# KiCad board ISA65816a.kicad_pcb (continued)
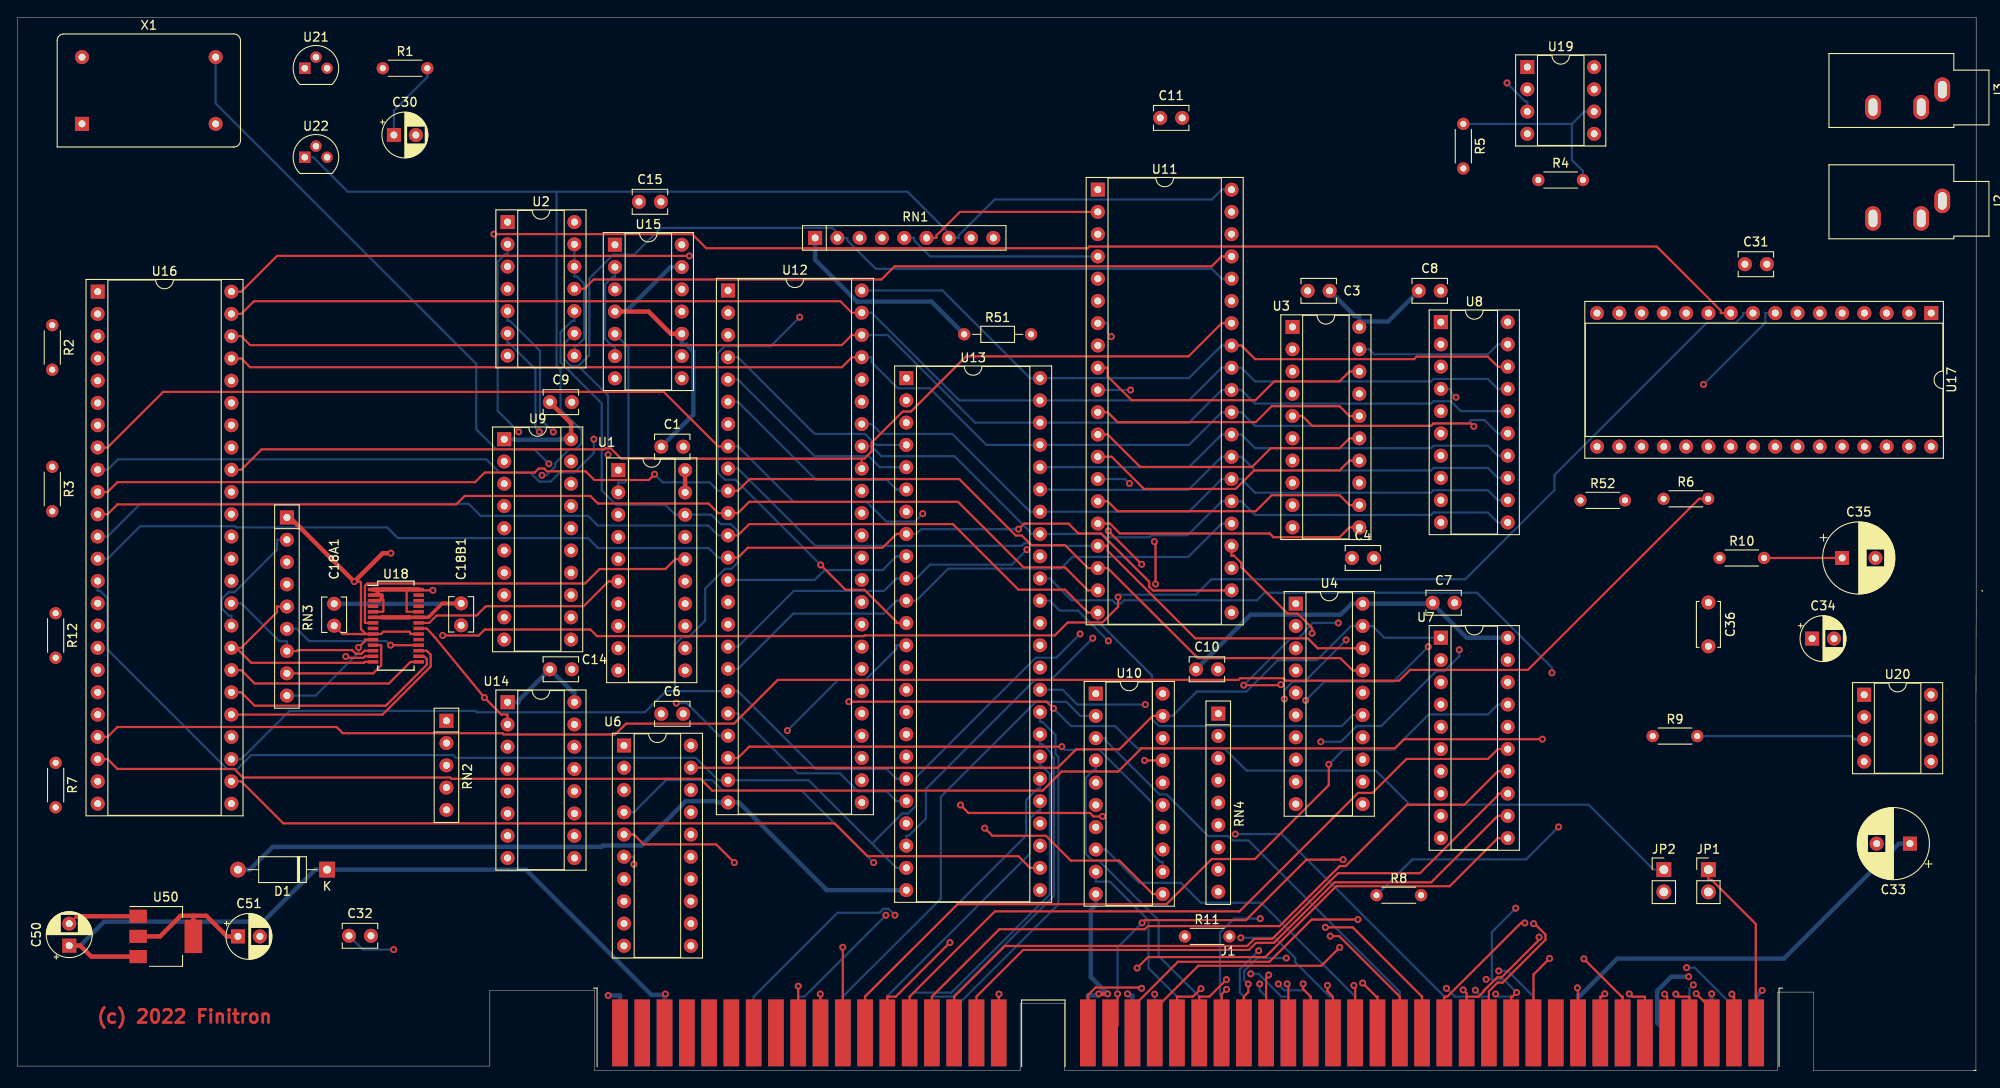
[diagram p0: board, top side]
## Routing (per net, layer and track width the routed paths; a pad name or vN(x,y) marks a point on that pad's centre or on a via; arc(x,y) is an arc through that point) (continued)
/Clkgen/V5: length 46.7
  Top w0.25: U18.15 44.8,46.62 42.34,44.16 27.03,44.16 25.5,45.68 U16.31
  In1.Cu w0.25: U16.31 24.38,46.81 24.1,46.81 22.75,48.16 22.75,58.41 23.91,59.57 25.49,59.57 29.58,55.47 RN3.4
/Clkgen/V6: length 55.7
  Top w0.25: U16.30 25.5,43.14 27.03,41.62 41.99,41.62 46.65,46.29 46.65,46.96 46.35,47.26 U18.16
  In1.Cu w0.25: RN3.3 29.43,58.01 25.36,62.08 23.94,62.08 22.25,60.4 22.25,46.11 24.1,44.27 24.38,44.27 U16.30
/Clkgen/V7: length 57.1
  Top w0.25: U18.17 46.65,47.89 47.1,47.44 47.1,46.1 41.61,40.6 U16.29
  In1.Cu w0.25: R12.2 4.34,41.19 8.62,36.91 19.56,36.91 23.25,40.6 U16.29
/Clkgen/V8: length 32.9
  Top w0.25: v1(42.53,48.53) U18.18
  In1.Cu w0.25: RN3.6 30.71,49.27 30.99,49.27 31.83,48.42 31.83,44.78 31.1,44.04 30.36,44.04 25.5,39.19 25.5,38.06 U16.28
  Bottom w0.25: v1(42.53,48.53) 42.07,48.99 33.24,48.99 31.83,50.39 RN3.6
GND: length 124.7
  Top w0.25: 41.53,53.87 41.71,53.69 41.71,52.43 41.62,52.34 U18.5 ; U18.24 44.36,52.34 44.36,54.83 44.43,54.89 ; U18.20 44.79,49.8 44.79,49.95 44.68,50.06 41.71,50.06 41.44,49.8 U18.9 38.37,49.8 ; C18A1.1 37.05,49.8 38.37,49.8 ; v1(38.38,55.77) 39.04,55.77 39.15,55.66 39.15,50.36 39.71,49.8 38.37,49.8 ; 6.74,17.6 C50.2 ; v1(47.35,54.78) 45.82,54.78 U18.28 ; 31.06,63.09 RN3.1
  Top w0.4: U18.3 41.27,53.61 41.53,53.87 41.53,54.24 U18.2 ; U18.28 45.71,54.89
  Top w0.5: 31.06,63.09 v1(38.38,55.77) 41.63,59.02 v1(42.56,59.02) ; U50.1 6.74,17.6
  Top w0.504: 41.06,54.88 41.58,54.88 41.6,54.89 45.71,54.89 ; 41.06,54.88 U18.1 ; 41.06,54.88 41.06,54.24 ; v1(124.29,8.74) v1(123.27,8.74)
  In1.Cu w0.25: v1(42.56,59.02) 43.11,59.02
  In1.Cu w0.5: 43.11,59.02 v1(47.35,54.78)
  In1.Cu w0.504: v1(198.9,9.13) 211.95,22.18 C33.2 ; U6.10 69.14,12.97 67.34,11.17 v1(67.34,8.55)
  Bottom w0.504: U10.10 122.93,18.88 122.36,18.31 122.36,10.66 v1(124.29,8.74) ; J1.80 68.68,8.55 v1(67.34,8.55) ; v1(198.9,9.13) 198.32,8.55 198.22,8.55 J1.1 ; v1(123.27,8.74) 123.08,8.55 122.02,8.55 J1.31
/A0: length 145.4
  Top w0.25: J1.62 122.02,8.59 122.9,9.46 128.06,9.46 v1(128.15,9.38)
  In1.Cu w0.25: U3.2 146.47,82.29 147.6,81.17 153.18,81.17 156.24,78.1 156.24,55.79 156.14,55.69 156.14,50.61 156.5,50.25 156.5,46.55 156.86,46.19 156.86,21.68 163.95,14.59 166.68,14.59 169.73,11.55 169.73,8.17 166.66,5.09 132.18,5.09 128.15,9.12 v1(128.15,9.38)
/A1: length 137.7
  Top w0.25: J1.61 125.41,5.14 v1(125.41,8.74) ; v1(128.21,16.84) 128.52,17.15 140.04,17.15 146.94,24.05 v1(151.12,24.05)
  In1.Cu w0.25: v1(151.12,24.05) 151.12,32.1 147.71,35.51 147.71,36.86 147.09,37.49 147.09,41.99 v1(146.85,42.22) ; v1(160.83,48.34) 160.83,51.88 160.19,52.52 160.19,53.91 164.4,58.12 164.4,76.05 164.72,76.37 164.72,81.99 162.72,83.99 161.42,83.99 161.14,83.71 145.17,83.71 144.22,82.76 144.22,81.72 145.07,80.88 145.35,80.88 145.35,79.75
  Bottom w0.25: v1(146.85,42.22) 149,44.37 156.85,44.37 v1(160.83,48.34) ; v1(128.21,16.84) 125.41,14.04 v1(125.41,8.74)
/A2: length 99.5
  Top w0.25: J1.60 127.1,7.21 132.29,12.4 142.72,12.4 147.54,17.23 v1(152.81,17.23)
  In1.Cu w0.25: v1(152.81,17.23) 152.81,20.36 156.41,23.96 156.41,46.01 156.05,46.36 156.05,48.98 155.69,49.34 155.69,55.87 155.75,55.94 155.75,65.89 153.33,68.32 152.64,68.32 146.47,74.49 146.47,75.24 145.63,76.09 145.35,76.09 U3.4
/A3: length 120.1
  Top w0.25: J1.59 129.64,6.98 134.61,11.95 148.65,11.95 v1(150.74,14.04) ; 145.35,74.67 146.47,74.67 147.6,73.55 161.14,73.55 161.42,73.83 165.69,73.83 v1(166.02,73.49)
  In1.Cu w0.25: v1(150.74,14.04) 151.18,14.49 151.18,23.06 151.87,23.74 151.87,34.22 v1(148.58,37.51) ; v1(164.36,48) 165.61,49.24 165.61,56.93 166.02,57.34 v1(166.02,73.49)
  Bottom w0.25: v1(164.36,48) 164.36,47.26 162.66,45.56 161.73,45.56 155.47,39.3 152.68,39.3 150.88,37.51 v1(148.58,37.51)
/A4: length 97.7
  Top w0.25: v1(134.91,9.34) 134,8.43 132.18,8.43 J1.58
  In1.Cu w0.25: U3.6 145.35,71.01 145.63,71.01 146.47,70.16 146.47,65.77 153.38,58.87 153.38,56.49 155.15,54.72 155.15,49.02 155.6,48.57 155.6,46.18 155.91,45.87 155.91,24.73 152.08,20.91 152.08,14.92 154.59,12.41 154.59,9.47 153.36,8.24 136.01,8.24 v1(134.91,9.34)
/A5: length 92.4
  Top w0.25: v1(144.02,44.03) 143.95,43.96 v1(139.79,43.96) ; v1(137.82,10.36) 135.89,8.43 134.72,8.43 J1.57
  In1.Cu w0.25: v1(150.57,51.06) 150.57,52.46 144.22,58.81 144.22,67.62 145.07,68.47 145.35,68.47 145.35,69.59 ; v1(144.02,44.03) 142.71,42.71 142.71,18.59 143.43,17.87 143.43,12.37 145.47,10.33 145.47,9.56 145.05,9.14 139.04,9.14 v1(137.82,10.36)
  Bottom w0.25: v1(139.79,43.96) 145.14,49.3 146.02,49.3 146.86,50.14 146.86,50.26 147.66,51.06 v1(150.57,51.06)
/A6: length 86.8
  Top w0.25: J1.56 137.26,8.69 v1(137.83,9.26)
  In1.Cu w0.25: v1(137.83,9.26) 138.39,8.69 153.13,8.69 154.08,9.65 154.08,11.34 151.63,13.79 151.63,22.55 155.46,26.38 155.46,45.69 155.15,45.99 155.15,47.98 153.56,49.57 152.89,49.57 152.22,50.24 152.22,53.9 149.32,56.8 149.32,62.21 145.6,65.93 145.35,65.93 U3.8
/A7: length 71.7
  Top w0.25: v1(140.31,9.87) 140.31,8.93 139.8,8.43 J1.55
  In1.Cu w0.25: v1(144.64,12.82) 144.33,13.13 144.33,19.06 143.61,19.79 143.61,41.58 v1(144.41,42.39) ; v1(151.47,49.13) 151.47,53.79 148.71,56.55 148.71,60.22 145.54,63.39 145.35,63.39 U3.9
  Bottom w0.25: v1(151.47,49.13) 146.71,44.37 145.39,44.37 144.41,43.39 v1(144.41,42.39) ; v1(140.31,9.87) 139.83,10.34 139.83,11.35 141.31,12.82 v1(144.64,12.82)
/A8: length 48.7
  Top w0.25: J1.54 142.34,10.6 v1(142.64,10.89)
  In1.Cu w0.25: U4.2 145.73,49.59 145.45,49.59 141.81,45.95 141.81,18.22 142.53,17.49 142.53,11 v1(142.64,10.89)
/A9: length 46.6
  Top w0.25: v1(144.74,9.88) 144.88,9.74 J1.53
  In1.Cu w0.25: v1(144.74,9.88) 144.74,9.89 142.98,11.65 142.98,17.68 142.26,18.4 142.26,43.86 145.45,47.05 145.73,47.05 U4.3
/A10: length 44.3
  Top w0.25: J1.52 147.42,8.43 146.56,9.29 v1(146.56,9.88)
  In1.Cu w0.25: U4.4 145.73,44.51 145.53,44.51 144.32,43.3 144.24,43.3 143.16,42.22 143.16,19.6 143.88,18.88 143.88,12.55 146.56,9.88 v1(146.56,9.88)
/A11: length 42.1
  Top w0.25: v1(149.33,9.71) 149.33,9.05 149.96,8.43 J1.51
  In1.Cu w0.25: U4.5 145.73,41.97 145.45,41.97 144.1,40.63 144.1,19.93 144.78,19.25 144.78,14.26 v1(149.33,9.71)
/A12: length 40.2
  Top w0.25: J1.50 152.5,9.55 v1(152.35,9.71)
  In1.Cu w0.25: U4.6 145.73,39.43 145.5,39.43 144.55,38.48 144.55,20.12 145.23,19.44 145.23,16.82 v1(152.35,9.71)
/A13: length 38.2
  Top w0.25: J1.49 155.04,8.43 154.9,8.43 v1(153.35,9.98)
  In1.Cu w0.25: v1(153.35,9.98) 150.01,13.31 150.01,14.34 150.39,14.72 150.39,31.55 147.1,34.85 147.1,35.8 146.01,36.89 145.73,36.89 U4.7
/A14: length 37
  Top w0.25: J1.48 157.58,8.43 150.68,15.33 v1(149.65,15.33)
  In1.Cu w0.25: v1(149.65,15.33) 149.83,15.51 149.83,30.53 146.01,34.35 145.73,34.35 U4.8
/A15: length 36.5
  Top w0.25: J1.47 160.12,8.43 152.22,16.33 v1(149.11,16.33)
  In1.Cu w0.25: U4.9 145.73,31.81 145.92,31.81 149.11,28.63 v1(149.11,16.33)
/A16: length 48.9
  Top w0.25: J1.46 162.66,8.43 162.99,8.43 171.4,16.83 v1(171.84,16.83)
  In1.Cu w0.25: v1(171.84,16.83) 171.45,16.83 168.76,19.52 168.76,44.85 169.62,45.71 169.89,45.71 U7.19
/A17: length 131.6
  Top w0.25: 165.2,8.43 166.57,8.43 167.13,8.99 167.13,9.06 168.7,10.63 169.19,10.63 173.46,14.91 v1(173.46,15.21) ; 165.2,8.43 165.2,8.79 v1(164.8,9.19) ; 165.2,8.43 J1.45 ; J1.88 v1(94.08,14.06)
  In1.Cu w0.25: v1(94.08,14.06) 94.27,13.87 128.08,13.87 135.06,6.89 162.5,6.89 v1(164.8,9.19) ; v1(173.46,15.21) 173.57,15.31 173.57,24.92 173.08,25.41 173.08,40.25 170.17,43.17 169.89,43.17 U7.18
/A18: length 135.1
  Top w0.25: J1.87 96.62,8.43 107.17,18.98 130.99,18.98 136.14,24.12 141.05,24.12 149.49,32.56 v1(149.49,34.93) ; J1.44 167.74,9.04 168.72,10.02 169.31,10.02 174.19,14.91 174.19,15.51 172.95,16.75 v1(172.84,16.75)
  In1.Cu w0.25: U7.17 169.89,40.63 170.17,40.63 171.52,39.27 171.52,18.17 172.84,16.86 v1(172.84,16.75)
  Bottom w0.25: U7.17 168.76,41.75 167.63,40.63 160.89,40.63 156.87,36.6 151.16,36.6 v1(149.49,34.93)
/A19: length 119
  Top w0.25: v1(106.29,14.6) 100.12,8.43 99.16,8.43 J1.86 ; v1(170.91,8.9) 170.44,8.43 170.28,8.43 J1.43
  In1.Cu w0.25: v1(167.42,10.4) 164.94,10.4 163.63,9.1 163.63,8.98 162,7.34 135.25,7.34 127.99,14.6 v1(106.29,14.6) ; U7.16 169.89,38.09 170.08,38.09 171.01,37.15 171.01,18.72 v1(170.8,18.51)
  Bottom w0.25: v1(170.8,18.51) 168.08,15.79 168.08,10.4 ; v1(167.42,10.4) 168.08,10.4 ; 168.08,10.4 169.41,10.4 v1(170.91,8.9)
/A20: length 84
  Top w0.25: J1.85 101.7,8.43 111.43,18.15 139.3,18.15 152.82,31.67 154.47,31.67 158.35,35.55 167.63,35.55 168.76,36.67 U7.15
/A21: length 80.4
  Top w0.25: J1.84 104.24,8.43 111.93,16.12 128.51,16.12 128.87,16.47 143.88,16.47 150.73,23.33 151.42,23.33 158.41,30.32 164.95,30.32 168.76,34.13 U7.14
/A22: length 77
  Top w0.25: J1.83 106.78,8.43 112.56,14.2 140.19,14.2 141.01,15.02 143.05,15.02 150.55,22.51 159.89,22.51 168.76,31.38 168.76,31.59 U7.13
/A23: length 73.2
  Top w0.25: J1.82 109.32,8.43 114.65,13.75 140.38,13.75 141.19,14.57 143.24,14.57 150.15,21.47 161.18,21.47 168.76,29.05 U7.12
/ABORTB: length 29.3
  In1.Cu w0.25: RN1.3 97.13,93.87 99.09,93.87 99.82,94.6 99.82,95.34 100.64,96.16 121.3,96.16 122.03,95.42 U11.3
/AEN: length 220.1
  Top w0.25: J1.42 172.82,10.94 v1(174.66,12.78) ; U10.19 129.42,40.46 125.61,36.65 120.69,36.65 118.58,34.53 77.9,34.53 77.88,34.54 U6.19
  In1.Cu w0.25: v1(174.66,12.78) 174.66,12.98 168.39,19.26 167.92,19.26 161.14,26.04 161.14,47.63 162.27,48.76 U7.1 162.27,50.5 162.58,50.81 162.58,55.36 164.85,57.62 164.85,75.86 165.23,76.25 165.23,77.64 169.89,82.29 ; 169.89,82.29 169.89,81.72 170.17,81.72 178.18,73.71 R52.1 ; 169.89,82.29 U8.19
  Bottom w0.25: U8.19 168.76,82.85 167.63,81.72 154.66,81.72 154.09,82.29 U3.19 ; U10.19 131.67,40.46 134.45,43.24 140.09,43.24 143.66,46.8 148.12,46.8 152.04,50.72 U4.19 154.48,50.72 155.82,49.37 U7.1
/ALE: length 70.4
  In1.Cu w0.25: U6.8 79.55,8.89 89.76,8.89 90.97,10.1 128.45,10.1 129.64,8.92 v1(129.64,8.71)
  Bottom w0.25: v1(129.64,8.71) 129.64,8.7 J1.28
/BE: length 161.9
  In1.Cu w0.25: v1(75.1,41.92) 73.06,43.96 68.56,43.96 65.33,47.18 65.33,48.56 63.45,50.44 62.7,50.44 58.61,54.53 58.61,68.97 60.09,70.45 61.04,70.45 61.75,69.74 61.75,69.19 62.61,68.33 65.4,68.33 v1(67.32,70.26)
  Bottom w0.25: U11.36 137.27,90.34 136.15,91.47 97.84,91.47 94.59,94.72 94.59,95 94.03,95 ; U2.9 62.35,82.97 62.35,81.11 63.07,80.38 63.94,80.38 ; v1(75.1,41.92) 76.3,41.92 79.88,38.34 79.88,38.2 U12.21 ; 63.94,80.38 67.32,77 v1(67.32,70.26) ; 63.94,80.38 65.18,81.62 65.18,90.37 67.9,93.09 70.29,93.09 73.34,96.14 92.89,96.14 94.03,95 ; 94.03,95 RN1.2
/Clkgen/ANAIN: length 213.8
  In1.Cu w0.25: R5.2 163.8,102.93 149.18,117.55 33.16,117.55 31.22,115.62 31.22,113.71 7.1,89.58 7.1,56.19 8.86,54.43 9.14,54.43 U16.15
/Clkgen/AUD: length 194.5
  In1.Cu w0.25: R8.2 161.03,20 165.83,15.2 166.71,15.2 170.18,11.73 170.18,7.98 166.8,4.59 131.82,4.59 126.93,9.49 114.52,9.49 112.57,7.54 77.72,7.54 69.88,15.38 44.48,15.38 v1(42.88,13.79) ; U16.23 20.17,32.98 C32.1
  Bottom w0.25: C32.1 39.37,13.79 v1(42.88,13.79)
/Clkgen/CTS0: length 237.9
  Top w0.25: v1(48.46,49.64) 52.59,49.64 53.26,50.31 65.31,50.31 66.06,49.56 96.5,49.56 96.58,49.64 118.25,49.64 119.73,51.12 123.68,51.12 125.47,52.91 v1(125.47,54.01)
  In1.Cu w0.25: U16.19 8,42.01 8,40.12 8.69,39.43 9.56,39.43 21.68,51.56 21.68,64.92 23.91,67.14 30.96,67.14 v1(48.46,49.64)
  Bottom w0.25: U17.9 196.72,86.42 196.72,86.14 195.88,85.3 192.56,85.3 175.21,67.94 175.21,66.21 165.05,56.05 136.11,56.05 134.34,54.28 125.74,54.28 v1(125.47,54.01)
/Clkgen/GCLK: length 70.7
  Top w0.25: U14.2 55.86,40.61 55.16,40.61 v1(53.22,42.54) 47.55,49.45 46.65,50.43 U18.21
  In1.Cu w0.25: v1(57.13,72.87) 57.13,46.45 v1(53.22,42.54)
  Bottom w0.25: v1(57.13,72.87) 54.74,75.26 54.74,92.3 55.58,93.14 55.86,93.14 U2.2
/Clkgen/Q1: length 49.8
  In1.Cu w0.25: U16.39 29.88,66 47.77,48.11 47.77,38.91 48.19,38.48 48.89,38.48 48.89,37.92 ; 48.89,37.92 RN2.2 ; 48.89,37.92 53.76,37.92 54.74,36.94 U14.3
/Clkgen/Q2: length 49.2
  In1.Cu w0.25: 48.89,35.28 48.89,35.94 48.69,35.94 38.16,46.48 38.16,54.7 30.89,61.97 27,61.97 25.5,63.46 U16.38 ; 48.89,35.28 53.86,35.28 54.74,34.4 U14.4 ; 48.89,35.28 RN2.3
/Clkgen/Q3: length 48.4
  In1.Cu w0.25: U16.37 25.55,60.92 29.73,56.74 31.05,56.74 32.54,55.25 32.54,50.8 47.77,35.58 47.77,34.25 48.61,33.4 48.89,33.4 RN2.4 48.89,32.84 53.76,32.84 54.74,31.86 U14.5
/Clkgen/Q4: length 46.7
  In1.Cu w0.25: U16.36 24.38,57.26 24.78,57.26 30.38,51.66 31.05,51.66 47.32,35.39 47.32,32.25 48.71,30.86 48.89,30.86 RN2.5 54.32,29.74 54.74,29.32 U14.6
/Clkgen/RTS0: length 243.5
  Top w0.25: v1(54.3,95.43) 76.9,95.43 78.52,93.82 121.98,93.82 122.18,94.01 186.87,94.01 194.18,86.7 194.18,86.42 U17.10
  In1.Cu w0.25: U16.20 9.14,41.73 9.42,41.73 10.74,43.05 10.74,71.11 9.5,72.35 8.8,72.35 8,73.16 8,86.77 8.9,87.68 46.56,87.68 v1(54.3,95.43)
/Clkgen/RxD0: length 267.7
  In1.Cu w0.25: U16.17 9.14,49.35 8.86,49.35 6.65,51.56 6.65,89.76 30.42,113.54 30.42,115.48 32.96,118.02 150.35,118.02 157.84,110.54 174.32,110.54 197.32,87.55 203.5,87.55 204.34,86.7 204.34,86.42 U17.6
/Clkgen/TxD0: length 271.4
  In1.Cu w0.25: v1(192.21,78.28) 186.25,78.28 147.42,117.1 33.35,117.1 31.68,115.43 31.68,113.52 7.55,89.39 7.55,60.88 8.77,59.65 9.52,59.65 10.28,58.9 10.28,47.67 9.42,46.81 9.14,46.81 U16.18
  Bottom w0.25: v1(192.21,78.28) 199.26,85.33 199.26,86.42 U17.8
/Clkgen/VPROG: length 219.4
  Top w0.25: U16.22 10.26,35.52 11.39,34.4 24.73,34.4 25.71,33.42 49.34,33.42 49.49,33.27 77.86,33.27 79.2,31.93 116.87,31.93 119.04,34.11 125.47,34.11 128.12,36.76 157.02,36.76 158.07,37.8 v1(173.84,37.8)
  In1.Cu w0.25: v1(173.84,37.8) 173.84,45.31 174.63,46.1 175.05,46.1 195.31,66.35 U17.23 ; U16.22 9.14,34.4 8.93,34.4 5.37,30.84 5.37,30.02 R7.2
/Clkgen/VRESET: length 201.8
  Top w0.25: R6.2 191.71,65.23 172.19,45.71 158.75,45.71 157.51,44.47 144.6,44.47 144.32,44.75 139.38,44.75 139.19,44.56 86.67,44.56 81.68,39.57 69.37,39.57 68.14,38.34 55.42,38.34 55.27,38.48 37.08,38.48 36.38,39.19 11.39,39.19 10.26,38.06 U16.21
  In1.Cu w0.25: U17.22 192.77,66.29 192.74,66.25 R6.2
/D0: length 94
  Top w0.25: v1(177.83,9.43) 177.9,9.35 J1.40
  In1.Cu w0.25: v1(177.83,9.43) 177.76,9.35 173.17,9.35 171.08,11.45 171.08,12.11 167.08,16.1 166.58,16.1 157.76,24.93 157.76,46.57 157.4,46.92 157.4,50.62 157.04,50.99 157.04,55.31 157.49,55.76 157.49,72.11 161.88,76.5 162.62,76.5 163.41,77.29 163.41,80.86 162.55,81.72 162.27,81.72 U8.2
/D1: length 93.9
  Top w0.25: v1(180.96,8.75) 180.64,8.43 180.44,8.43 J1.39
  In1.Cu w0.25: v1(180.96,8.75) 180.91,8.7 173.19,8.7 170.63,11.26 170.63,11.92 166.9,15.65 166.39,15.65 157.31,24.73 157.31,46.38 156.95,46.74 156.95,50.44 156.59,50.8 156.59,55.5 157.04,55.95 157.04,74.24 161.98,79.18 162.27,79.18 U8.3
/D2: length 90
  Top w0.25: v1(178.57,12.74) 182.88,8.43 182.98,8.43 J1.38
  In1.Cu w0.25: v1(178.57,12.74) 175.73,12.74 175.05,12.06 174.33,12.06 173.78,12.6 173.78,13.22 168.2,18.81 167.73,18.81 160.46,26.08 160.46,47.68 160.1,48.04 160.1,51.74 159.74,52.11 159.74,54.19 163.95,58.4 163.95,76.76 v1(163.99,76.81)
  Bottom w0.25: v1(163.99,76.81) 163.39,77.4 163.39,77.77 U8.4
/D3: length 91.5
  Top w0.25: v1(183.74,8.73) 184.05,8.43 185.52,8.43 J1.37
  In1.Cu w0.25: v1(183.74,8.73) 182.28,10.2 176.49,10.2 176.1,9.8 173.4,9.8 171.53,11.67 171.53,12.29 167.27,16.55 166.8,16.55 158.21,25.14 158.21,46.75 157.85,47.11 157.85,50.81 157.49,51.17 157.49,55.13 157.94,55.58 157.94,69.96 162.08,74.1 162.27,74.1 U8.5
/D4: length 90.8
  Top w0.25: J1.36 188.06,8.43 v1(187.78,8.71)
  In1.Cu w0.25: v1(187.78,8.71) 185.84,10.65 176.3,10.65 175.91,10.26 173.59,10.26 171.98,11.86 171.98,12.48 167.46,17 166.99,17 158.66,25.33 158.66,46.94 158.3,47.3 158.3,51 157.94,51.36 157.94,54.94 158.39,55.39 158.39,67.87 162.08,71.56 162.27,71.56 U8.6
/D5: length 90.1
  Top w0.25: v1(189.05,8.72) 189.34,8.43 190.6,8.43 J1.35
  In1.Cu w0.25: v1(189.05,8.72) 186.67,11.1 176.12,11.1 175.72,10.71 173.77,10.71 172.43,12.04 172.43,12.67 167.64,17.46 167.17,17.46 159.11,25.52 159.11,47.12 158.75,47.48 158.75,51.18 158.39,51.55 158.39,54.75 158.84,55.2 158.84,65.88 161.98,69.02 162.27,69.02 U8.7
/D6: length 88.7
  Top w0.25: J1.34 193.14,6.99 v1(191.37,8.76)
  In1.Cu w0.25: U8.8 162.27,66.48 162.55,66.48 163.42,65.61 163.42,58.51 159.29,54.38 159.29,51.92 159.65,51.56 159.65,47.86 160.01,47.5 160.01,25.89 167.55,18.36 168.02,18.36 173.33,13.04 173.33,12.42 174.15,11.61 175.35,11.61 175.74,12 187.5,12 190.74,8.76 v1(191.37,8.76)
/D7: length 89.9
  Top w0.25: v1(195.44,8.71) 195.68,8.47 J1.33
  In1.Cu w0.25: U8.9 162.27,63.94 161.98,63.94 159.29,61.25 159.29,55.02 158.84,54.57 158.84,51.73 159.2,51.37 159.2,47.67 159.56,47.31 159.56,25.7 167.36,17.91 167.83,17.91 172.88,12.85 172.88,12.23 173.96,11.16 175.54,11.16 175.93,11.55 187.24,11.55 190.77,8.02 194.76,8.02 v1(195.44,8.71)
/DACK0*: length 54.6
  In1.Cu w0.25: RN4.2 135.76,38.17 135.51,37.92 U10.18 130.55,39.04 130.23,39.04 119.35,49.92 114.2,49.92 109.26,54.87 100.96,54.87 99.04,56.79 99.04,59.96 96.52,62.47 96.24,62.47 U12.38
/DACK1*: length 54.4
  Top w0.25: U10.17 v1(128.48,35.38)
  In1.Cu w0.25: U10.17 135.51,35.38 135.76,35.63 RN4.3 ; U12.36 95.1,57.38 95.1,55.52 95.91,54.71 98.48,54.71 100.86,52.33 103.53,52.33 111.29,44.57 119.14,44.57 121.83,41.87 123.13,41.87 125.28,39.72 125.28,38.58 v1(128.48,35.38)
/DACK2*: length 50.7
  In1.Cu w0.25: U10.16 131.67,32.84 131.67,33.07 131.69,33.09 ; 131.69,33.09 RN4.4 ; 131.69,33.09 131.69,33.33 131.45,33.57 128.87,33.57 123.28,39.16 121.26,39.16 118.37,42.06 109.5,42.06 101.77,49.79 100.88,49.79 97.37,53.3 97.37,53.44 U12.34
/DACK3*: length 48.4
  In1.Cu w0.25: U12.32 97.37,48.36 98.48,47.25 103.03,47.25 110.53,39.75 117.47,39.75 120.72,36.5 123.5,36.5 129.42,30.58 129.42,30.3 U10.15 135.51,30.3 135.76,30.55 RN4.5
/DACK5*: length 48.5
  In1.Cu w0.25: U12.30 97.37,43.28 98.71,44.62 102.54,44.62 112.68,34.48 121.37,34.48 121.6,34.24 123.22,34.24 129.42,28.04 129.42,27.76 U10.14 135.51,27.76 135.76,28.01 RN4.6
/DACK6*: length 50
  In1.Cu w0.25: U10.13 131.67,25.22 131.67,25.42 131.72,25.47 ; 131.72,25.47 RN4.7 ; 131.72,25.47 131.72,25.64 131.65,25.72 129.73,25.72 124.02,31.42 119.94,31.42 118.08,29.57 104.93,29.57 102.49,32.01 100.92,32.01 97.37,35.56 97.37,36.23 96.52,37.07 96.24,37.07 U12.28
/DRQ0: length 33.8
  In1.Cu w0.25: U12.39 95.12,66.14 93.97,67.28 64.56,67.28 64.23,66.95 U9.18
/DRQ1: length 34.8
  In1.Cu w0.25: U12.37 95.12,61.06 91.41,64.76 64.58,64.76 64.23,64.41 U9.17
/DRQ2: length 39.1
  In1.Cu w0.25: U9.16 64.23,61.87 66.46,59.64 96.77,59.64 97.37,59.05 97.37,57.95 96.52,57.1 96.24,57.1 U12.35
/DRQ3: length 37.2
  In1.Cu w0.25: U12.33 95.12,50.9 91.38,54.63 67.94,54.63 64.23,58.34 64.23,59.33 U9.15
/DRQ5: length 38.3
  In1.Cu w0.25: U12.31 95.12,45.82 88.8,52.13 67.9,52.13 64.23,55.8 64.23,56.79 U9.14
/DRQ6: length 39.3
  In1.Cu w0.25: U9.13 64.23,54.25 64.23,53.26 68.04,49.45 70.55,49.45 78.13,41.86 93.69,41.86 94.81,40.74 U12.29
/IOR*: length 116.6
  In1.Cu w0.25: v1(97.6,23.73) 97.6,18.06 99.96,15.69 127.53,15.69 135.43,7.79 161.33,7.79 v1(162.91,9.37)
  Bottom w0.25: J1.14 165.2,8.43 163.85,8.43 v1(162.91,9.37) ; v1(97.6,23.73) 89.33,31.99 80.33,31.99 79.19,33.13 73.93,33.13 70.26,29.46 U6.4
/IORDU*: length 40.3
  In1.Cu w0.25: U13.28 115.44,28.2 114.16,26.92 U6.16
/IOW*: length 112.6
  Top w0.25: U6.5 70.26,26.92 71.39,25.8 79.64,25.8 v1(81.72,23.73)
  In1.Cu w0.25: v1(166.2,9.16) 163.48,6.44 134.54,6.44 127.67,13.31 92.13,13.31 v1(81.72,23.73)
  Bottom w0.25: J1.13 167.74,8.43 166.92,8.43 v1(166.2,9.16)
/IOWRU*: length 40.3
  In1.Cu w0.25: U6.15 77.88,24.38 77.95,24.45 114.23,24.45 115.44,25.66 U13.27
/IRQ2*: length 112.5
  In1.Cu w0.25: v1(191.05,9.76) 190.37,9.76 174.93,25.21 v1(174.93,45.37)
  Bottom w0.25: J1.4 190.6,9.32 v1(191.05,9.76) ; U13.39 117.69,56.14 120.18,53.64 124.81,53.64 125.17,53.28 125.77,53.28 126.13,53.64 141.29,53.64 142.16,54.51 166.39,54.51 174.93,45.97 v1(174.93,45.37)
/IRQ3*: length 72
  In1.Cu w0.25: v1(141.67,17.32) 141.36,17.64 141.36,43.42 135.76,49.01 v1(124.36,49.01)
  Bottom w0.25: J1.25 137.26,8.43 137.09,8.6 137.09,15.73 138.68,17.32 v1(141.67,17.32) ; v1(124.36,49.01) 120.91,52.47 118.81,52.47 117.69,53.6 U13.38
/IRQ4*: length 66.6
  In1.Cu w0.25: v1(141.49,13.67) 141.69,13.86 141.69,16.29 140.91,17.07 140.91,39.46 135.6,44.77 135.6,46.16 134.08,47.68 122.24,47.68 118.86,51.06 U13.37
  Bottom w0.25: v1(141.49,13.67) 139.35,11.52 139.35,8.88 139.8,8.43 J1.24
/IRQ5*: length 61.6
  In1.Cu w0.25: U13.36 120.11,48.52 129.16,39.46 129.16,37.71 130.11,36.76 137.37,36.76 140,34.12 140,16.69 140.71,15.99 140.71,14.72 140.32,14.33 140.32,12.82 141.33,11.8 141.33,10.15 v1(141.62,9.87)
  Bottom w0.25: J1.23 142.34,8.43 141.62,9.15 v1(141.62,9.87)
/IRQ6*: length 62.2
  In1.Cu w0.25: U13.35 122.01,45.98 128.71,39.28 128.71,36.42 129.21,35.92 129.21,35.12 130.08,34.25 137.35,34.25 139.55,32.05 139.55,16.1 140.23,15.43 140.23,14.88 139.87,14.51 139.87,11.75 v1(140.59,11.03)
  Bottom w0.25: J1.22 144.88,8.43 144.08,8.43 141.48,11.03 v1(140.59,11.03)
/IRQ7*: length 64
  In1.Cu w0.25: v1(143.74,9.87) 142.64,9.87 141.84,10.67 141.84,11.93 140.77,13.01 140.77,14.14 141.19,14.57 141.19,16.14 140.46,16.88 140.46,36.22 137.33,39.35 133.34,39.35 130.94,41.75 v1(128.57,41.75)
  Bottom w0.25: U13.34 119.14,43.44 120.83,41.75 v1(128.57,41.75) ; v1(143.74,9.87) 143.74,9.83 144.43,9.15 146.7,9.15 147.42,8.43 J1.21
/IRQ9*: length 24.5
  Bottom w0.25: U12.20 82.13,40.74 88.95,33.91 93.75,33.91 95.81,31.85 99.09,31.85 100.2,30.74 U13.20
/IRQ10*: length 42.6
  Bottom w0.25: U13.33 116.56,39.77 116.84,39.77 118.32,38.29 118.32,36.13 118.66,35.79 118.66,18.97 106.78,7.09 J1.65
/IRQ11*: length 42.1
  Bottom w0.25: J1.66 104.24,8.43 106.66,8.43 118.16,19.93 118.16,35.65 117.87,35.94 117.87,36.2 116.84,37.23 116.56,37.23 U13.32
/IRQ12*: length 41.3
  Bottom w0.25: J1.67 101.7,8.43 102.15,8.88 106.47,8.88 117.69,20.09 117.69,33.85 116.84,34.69 116.56,34.69 U13.31
/IRQ14*: length 37.4
  Bottom w0.25: J1.69 96.62,8.43 114.99,26.79 114.99,30.86 116.28,32.15 116.56,32.15 U13.30
/IRQ15*: length 33.8
  Bottom w0.25: J1.68 99.16,8.49 115.44,24.77 115.44,28.77 116.28,29.61 116.56,29.61 U13.29
/IRQ*: length 93.8
  Top w0.25: U13.12 100.2,51.06 100.2,51.2 96.54,54.85 94.39,54.85 v1(91.56,57.68)
  In1.Cu w0.25: v1(89.17,85.95) 91.02,87.8 96.72,87.8 101.09,92.17 RN1.5
  Bottom w0.25: v1(91.56,57.68) 81.83,67.41 80.65,67.41 79.85,68.21 79.85,81.87 80.62,82.65 85.87,82.65 v1(89.17,85.95) ; RN1.5 102.21,95 102.21,94.72 104.05,92.88 U11.4
/MEMR*: length 49.5
  Top w0.25: J1.89 91.54,8.69 v1(91.51,8.72)
  In1.Cu w0.25: U6.2 69.14,33.42 68.86,33.42 67.09,31.66 67.09,19.75 68.66,18.18 69.33,18.18 79.07,8.44 91.24,8.44 v1(91.51,8.72)
/MEMRU*: length 40
  In1.Cu w0.25: v1(87.77,38.78) 87.77,35.66 80.39,28.29 76.28,28.29 75.59,28.98 75.59,30.84 U6.18
  Bottom w0.25: U13.13 100.2,48.52 100.2,48.09 96.65,44.55 93.53,44.55 v1(87.77,38.78)
/MEMW*: length 43.3
  Top w0.25: J1.90 v1(89,9.62)
  In1.Cu w0.25: U6.3 69.14,30.88 68.86,30.88 67.55,29.57 67.55,21.83 68.8,20.57 69.53,20.57 73.4,16.7 73.4,15.91 79.7,9.62 v1(89,9.62)
/MEMWU*: length 39.4
  In1.Cu w0.25: U6.17 76.76,30.59 77.04,30.59 78.91,32.45 78.91,35.22 80.63,36.95 81.48,36.95 84.07,39.54 96.65,39.54 97.41,40.3 97.41,41.23 96.56,42.08 95.84,42.08 95.12,42.8 95.12,43.79 95.81,44.48 97.48,44.48 98.97,45.98 U13.14
/NMI*: length 169.9
  In1.Cu w0.25: JP1.2 192.77,21.55 193.58,21.55 196.43,24.41 196.43,71.65 194.44,73.64 188.37,73.64 152.19,109.82 129.75,109.82 124.28,104.35 124.28,89.77 123.44,88.93 123.16,88.93 U11.6 120.38,87.8 116.57,84 R51.2
/NMIB: length 76.7
  In1.Cu w0.25: RN1.4 97.42,95 97.42,95.28 76.07,116.63 33.55,116.63 32.75,115.82 U21.1
/RDY: length 20.9
  Top w0.25: U11.2 107.44,97.96 104.75,95.28 104.75,95 RN1.6
/REFRESH*: length 66.5
  Top w0.25: v1(119.05,36.94) 83.42,36.94 82.13,35.66 U12.22
  In1.Cu w0.25: RN4.8 135.76,22.93 135.51,22.68 U10.12
  Bottom w0.25: v1(119.05,36.94) 119.42,36.58 123.33,36.58 129.42,30.48 129.42,24.65 130.27,23.8 130.55,23.8 U10.12
/RESET: length 122
  Top w0.25: v1(118.1,41.3) 117.32,42.08 v1(94.78,42.08)
  In1.Cu w0.25: U1.12 77.23,48.18 78.29,47.12 89.74,47.12 v1(94.78,42.08)
  Bottom w0.25: v1(118.1,41.3) 120.11,39.3 125.13,39.3 127.65,36.77 137.55,36.77 140.11,34.21 154.86,34.21 158.75,30.32 179.11,30.32 186.51,22.92 JP2.1
/SBHE: length 51.1
  Top w0.25: J1.81 111.86,8.69 v1(111.89,8.72)
  In1.Cu w0.25: U6.9 77.91,7.99 111.16,7.99 v1(111.89,8.72)
/SMEMR*: length 114.6
  In1.Cu w0.25: v1(70.26,23.53) 70.53,23.26 77.32,23.26 87.72,12.86 127.49,12.86 134.36,5.99 165.79,5.99 v1(168.51,8.72)
  Bottom w0.25: v1(168.51,8.72) 168.8,8.43 170.28,8.43 J1.12 ; U6.6 70.26,24.38 v1(70.26,23.53)
/SMEMW*: length 120.5
  In1.Cu w0.25: v1(168.87,11.36) 169.25,10.98 169.25,8.38 166.41,5.54 133.86,5.54 128.85,10.55 87.79,10.55 82.91,15.43 75.56,15.43 U6.7
  Bottom w0.25: J1.11 172.82,8.43 169.89,11.36 v1(168.87,11.36)
/TC: length 50.2
  Top w0.25: v1(110.26,27.65) 111.13,26.78 117.24,26.78 120.07,23.95 125.61,23.95 129.42,20.14 U10.11
  In1.Cu w0.25: U12.27 96.24,34.53 95.96,34.53 95.09,33.66 95.09,32.64 95.88,31.85 97.74,31.85 100.27,29.32 103.33,29.32 105,27.65 v1(110.26,27.65) ; U10.11 130.55,19.01 133.08,16.48 R11.1
/VPA: length 77.6
  Top w0.25: v1(124.35,61.56) v1(128.16,57.75)
  In1.Cu w0.25: v1(122.58,49.32) 122.03,49.88 122.03,55.25 122.97,56.2 124.57,56.2 126.12,57.75 v1(128.16,57.75) ; v1(124.35,61.56) 124.69,61.9 v1(124.69,83.73)
  Bottom w0.25: v1(122.58,49.32) 117.82,44.57 115.99,44.57 103.56,32.14 103.56,28.74 101.6,26.78 101.32,26.78 U13.22 ; U11.7 124.28,85.26 124.28,84.14 v1(124.69,83.73)
/XDACK0*: length 54.4
  Bottom w0.25: J1.70 94.08,8.43 105.26,19.61 105.26,31.23 116.09,42.06 119.56,42.06 121.17,40.46 U10.2
/XDACK1*: length 51.5
  Bottom w0.25: J1.17 157.58,8.98 140.31,26.24 138.53,26.24 138.03,26.74 135.76,26.74 131.01,31.49 130.2,31.49 124.05,37.64 124.05,37.92 U10.3
/XDACK2*: length 37.5
  Bottom w0.25: J1.26 134.72,8.43 130.1,13.05 130.1,17.13 123.28,23.95 122.55,23.95 121.76,24.74 121.76,33.36 122.65,34.25 122.93,34.25 U10.4
/XDACK3*: length 54.3
  In1.Cu w0.25: v1(138.83,26.97) 138.49,26.63 129.45,26.63 123.25,32.84 U10.5
  Bottom w0.25: J1.15 162.66,8.43 144.12,26.97 v1(138.83,26.97)
/XDACK5*: length 48.7
  In1.Cu w0.25: U10.6 122.93,29.17 122.65,29.17 121.8,28.33 121.8,26.75 116.9,21.85 104.35,21.85 100.94,18.44 99.73,18.44 v1(99,17.72)
  Bottom w0.25: J1.72 89,8.43 89.72,8.43 v1(99,17.72)
/XDACK6*: length 53.3
  In1.Cu w0.25: U10.7 122.93,26.63 122.73,26.63 118.14,22.04 118.14,20.55 115.3,17.72 v1(100.03,17.72)
  Bottom w0.25: J1.74 83.92,8.43 93.48,17.99 98.25,17.99 98.7,18.44 99.3,18.44 v1(100.03,17.72)
/XREFRESH*: length 40.7
  Bottom w0.25: U10.8 124.05,25.22 127.86,21.41 132.63,21.41 134.9,19.14 141.79,19.14 152.5,8.43 J1.19
/XTC: length 23.2
  Bottom w0.25: J1.27 132.18,8.43 128.93,11.68 128.93,17.14 124.53,21.55 122.93,21.55 U10.9
BA0: length 192.9
  Top w0.25: U8.18 168.76,80.31 167.62,81.45 159.5,81.45 159.21,81.16 141.08,81.16 139.52,82.72 U11.33 ; v1(76.59,92.94) 29.58,92.94 25.5,88.86 U16.48
  In1.Cu w0.25: U12.48 95.12,89 91.17,92.94 v1(76.59,92.94) ; U7.2 162.27,47.96 162.97,47.96 165.16,50.15 165.16,57.11 165.3,57.25 165.3,74.79 169.69,79.18 169.89,79.18 U8.18
  Bottom w0.25: U12.48 105.44,89 115.44,79 U13.48 133.55,79 137.27,82.72 U11.33
BA1: length 190.7
  Top w0.25: U16.47 25.5,86.32 26.95,87.77 93.8,87.77 95.12,86.46 U12.47
  In1.Cu w0.25: U7.3 162.27,45.42 162.86,45.42 166.06,48.61 166.06,56.74 166.51,57.19 166.51,72.95 166.75,73.19 166.75,73.79 169.6,76.64 169.89,76.64 U8.17
  Bottom w0.25: U12.47 97.37,86.46 107.37,76.46 U13.47 133.55,76.46 137.27,80.18 U11.32 139.52,80.18 141.08,78.62 161.14,78.62 161.42,78.91 167.62,78.91 168.76,77.77 U8.17
BA2: length 190.3
  Top w0.25: U16.46 25.5,83.78 26.53,82.76 93.96,82.76 95.12,83.92 U12.46
  In1.Cu w0.25: U8.16 169.89,74.1 169.61,74.1 166.96,71.46 166.96,57 166.51,56.55 166.51,48.42 166.06,47.97 166.06,46.39 162.55,42.88 162.27,42.88 U7.4
  Bottom w0.25: U12.46 99.18,83.92 109.18,73.92 U13.46 133.55,73.92 137.27,77.64 U11.31 139.52,77.64 141.08,76.08 161.14,76.08 161.42,76.36 163.4,76.36 164.54,75.23 U8.16
BA3: length 190.9
  Top w0.25: U16.45 25.5,81.24 26.51,80.24 93.98,80.24 95.12,81.38 U12.45
  In1.Cu w0.25: U8.15 169.89,71.56 169.6,71.56 167.41,69.37 167.41,56.82 166.96,56.37 166.96,48.24 166.51,47.79 166.51,44.3 162.55,40.34 162.27,40.34 U7.5
  Bottom w0.25: U8.15 168.76,72.69 167.23,74.22 165.72,74.22 165.33,73.83 161.42,73.83 161.14,73.54 141.08,73.54 139.52,75.1 U11.30 137.27,75.1 133.55,71.38 U13.45 110.46,71.38 104,77.84 100.34,77.84 97.37,80.81 97.37,81.38 U12.45
BA4: length 196.3
  In1.Cu w0.25: U8.14 169.89,69.02 169.6,69.02 167.86,67.28 167.86,56.63 167.41,56.18 167.41,48.05 166.96,47.6 166.96,42.21 162.55,37.8 162.27,37.8 U7.6 ; U16.44 66.28,78.7 67.15,77.83 77.6,77.83 79.74,79.97 93.91,79.97 95.61,78.27 96.24,78.27 ; U13.44 104.67,68.84 103.54,67.71 100.82,67.71 99.17,69.36 99.17,75.07 96.52,77.71 96.24,77.71 96.24,78.27 ; 96.24,78.27 U12.44
  Bottom w0.25: U13.44 133.55,68.84 137.27,72.56 U11.29 139.52,72.56 141.08,71 161.14,71 161.42,71.28 167.62,71.28 168.76,70.15 U8.14
